# Allegro board RV1126B_mainboard.brd (continued)
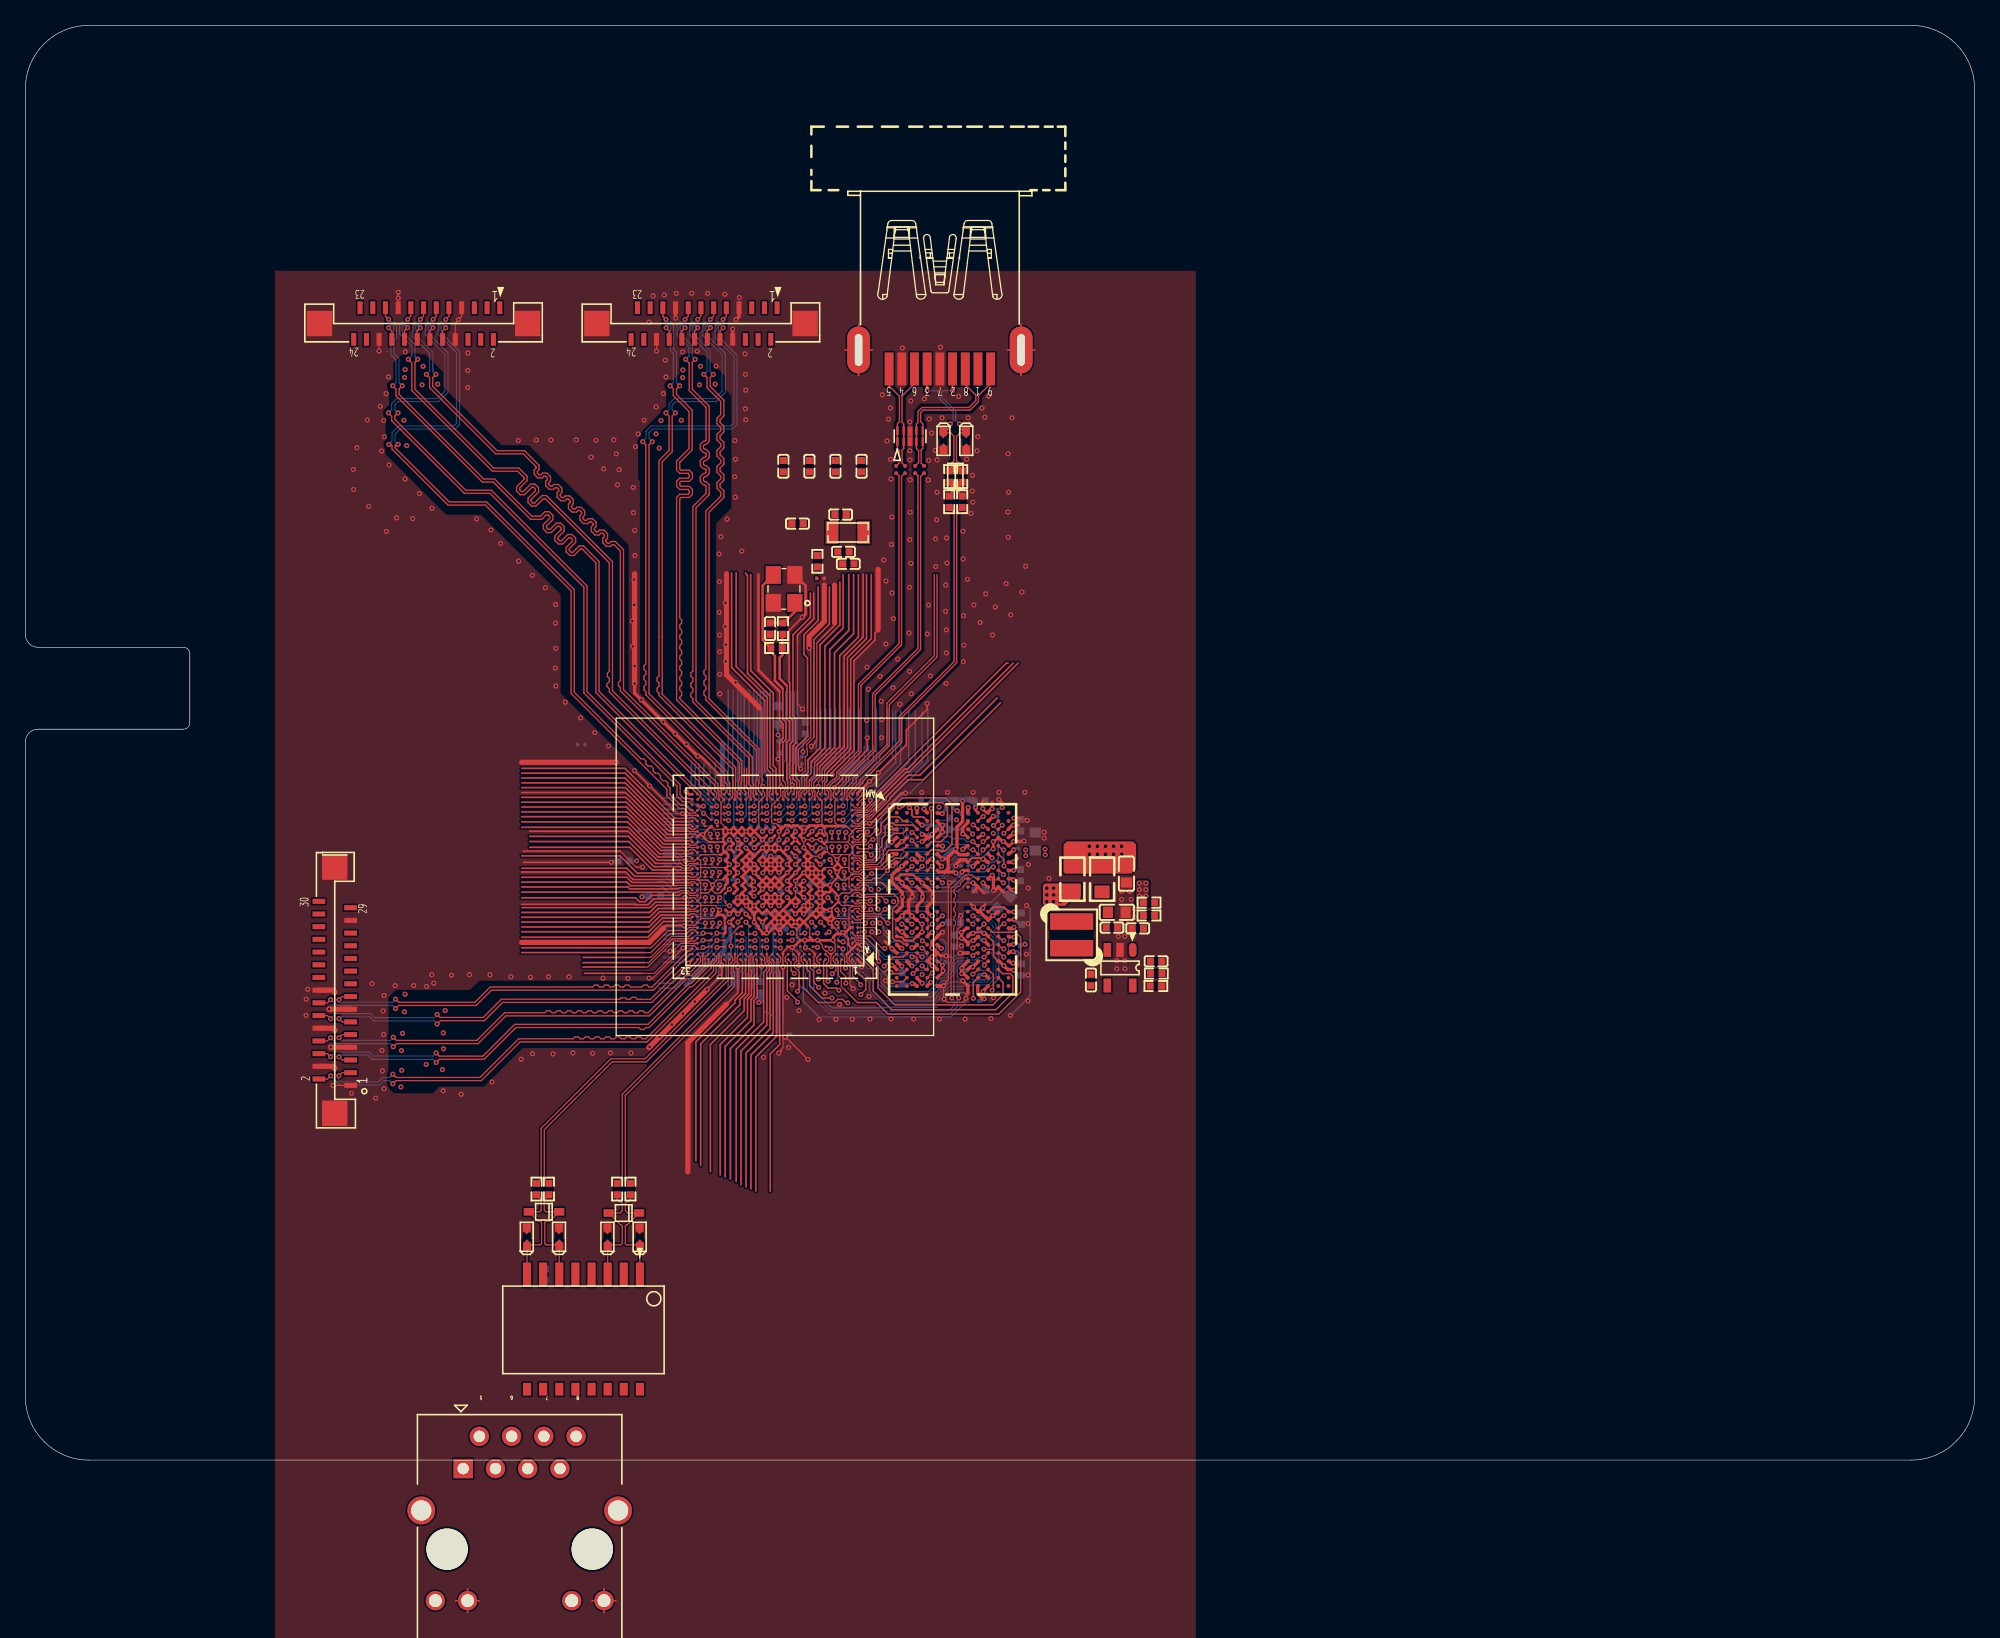
[diagram p0: board, top side]
## Routing (per net, layer and track width the routed paths; a pad name or vN(x,y) marks a point on that pad's centre or on a via; arc(x,y) is an arc through that point) (continued)
LPDDR4_A4_B: length 25.4
  TOP w0.089: U1000.B5 63.61,39.63 63.61,39.34 63.82,39.13 63.82,38.57 63.6,38.35 63.59,38.35 63.57,38.32 v1(63.54,38.32)
  TOP w0.114: v1(77.07,42.26) 76.97,42.26 U3300.R11
  L6_S2 w0.089: v1(77.07,42.26) 76.67,42.65 76.67,43.29 74.83,45.13 68.89,45.13 68.45,45.58 65.7,45.58 64.81,44.69 64.48,44.69 64.28,44.49 64.28,44.1 63.87,43.7 63.19,43.7 62.27,42.78 62.27,42.16 62.98,41.44 62.98,38.82 63.46,38.35 63.52,38.35 63.53,38.34
  L6_S2 w0.091: v1(63.54,38.32) 63.53,38.34
LPDDR4_A5_A: length 29.2
  TOP w0.114: 76.94,45.49 U3300.J11 ; U1000.A11 61.55,39.23 61.55,38.67 61.75,38.46 61.75,37.39 62.73,36.41 v1(63.52,36.41)
  TOP w0.127: v1(77.02,45.49) 76.94,45.49
  L6_S2 w0.089: 71.34,35.42 71.27,35.48
  L6_S2 w0.091: v1(63.52,36.41) 63.57,36.46 65.35,36.46 66.32,35.48 71.27,35.48 ; v1(77.02,45.49) 76.97,45.43 76.97,44.1 77.44,43.64 77.44,36.15 76.7,35.42 71.34,35.42
LPDDR4_A5_B: length 23.1
  TOP w0.089: v1(62.38,40.4) 62.32,40.46 U1000.1A6
  TOP w0.114: U3300.P11 76.94,42.88 77.06,42.88 77.07,42.9 v1(77.07,42.91)
  L6_S2 w0.089: v1(77.07,42.91) 77.07,43.4 76.6,43.88 76.6,45.15 75.9,45.85 65.51,45.85 64.61,44.94 63.97,44.94 63.57,44.54 63.57,44.21 63.34,43.98 62.45,43.98 62.25,43.77 62.25,43.34 61.56,42.66 61.56,42.15 61.94,41.77 61.94,40.84 v1(62.38,40.4)
LPDDR4_CKE0_A: length 23.2
  TOP w0.089: 62.07,38.53 61.82,38.78 61.82,39.38 U1000.A10
  TOP w0.114: 62.07,38.53 62.07,37.65 v1(62.48,37.25)
  TOP w0.127: U3300.J4 71.09,45.81 v1(71.42,45.48)
  L4_S1 w0.091: v1(71.42,45.48) 73.19,43.71 73.19,38.13 72.81,37.75 72.13,37.75 71.96,37.59 71.96,37.31 71.34,36.69 67.02,36.69 66.62,37.09 65.65,37.09 65.35,36.79 64.34,36.79 64.16,36.62 63.82,36.62 63.19,37.25 v1(62.48,37.25)
LPDDR4_CKE0_B: length 13.2
  TOP w0.089: U1000.1C8 61.31,41.46 v1(61.38,41.53)
  TOP w0.127: U3300.P4 70.69,42.88 v1(70.62,42.88)
  L4_S1 w0.091: v1(70.62,42.88) 70.19,43.32 68.83,43.32 68.29,42.78 66.11,42.78 64.53,41.21 64.23,41.21 64.01,40.99 64.01,40.79 63.84,40.62 62.95,40.62 62.83,40.5 62.83,40.12 62.7,39.99 62.07,39.99 61.82,40.24 61.82,41.09 v1(61.38,41.53)
LPDDR4_CKE1_A: length 27.3
  TOP w0.089: 60.93,38.48 60.56,38.85 60.56,39.15 60.73,39.33 60.73,39.63 U1000.B13
  TOP w0.114: 60.93,38.48 60.93,37.07 v1(60.8,36.94)
  TOP w0.127: U3300.J5 71.89,45.81 v1(72.22,45.48)
  L4_S1 w0.091: v1(60.8,36.94) 61.56,36.94 62.45,36.05 63.72,36.05 63.93,36.26 64.26,36.26 64.54,36.54 65.26,36.54 65.6,36.21 71.72,36.21 72.48,36.97 73.65,36.97 74.26,37.58 74.26,41.82 74.02,42.06 74.02,43.68 v1(72.22,45.48)
LPDDR4_CKE1_B: length 12.2
  TOP w0.089: U1000.1C6 62.31,41.46 v1(62.38,41.53)
  TOP w0.127: U3300.P5 72.14,42.88 v1(72.22,42.88)
  L4_S1 w0.091: v1(62.38,41.53) 62.65,41.26 63.42,41.26 64.1,41.95 64.89,41.95 65.98,43.04 68.04,43.04 68.72,43.72 70.32,43.72 70.78,43.27 71.83,43.27 v1(72.22,42.88)
LPDDR4_CLKN_A: length 29.8
  TOP w0.089: U1000.1C10 60.31,41.46 v1(60.38,41.53) ; v1(72.95,36.41) 72.9,36.46 72.9,45.01 73.48,45.6 73.77,45.89 73.92,46.03 73.95,46.03 74.01,46.09 74.59,46.09 74.87,45.81 U3300.J9
  BOTTOM w0.089: v1(60.38,41.53) 60.52,41.39 60.73,41.39 61,41.12 61,40.23 61.79,39.45 61.79,37.01 63.41,35.39 72.71,35.39 73.15,35.83 73.15,36.21 v1(72.95,36.41)
LPDDR4_CLKN_B: length 23.3
  TOP w0.097: U1000.1A2 64.08,40.4 64.26,40.4 v1(64.38,40.27) ; v1(74.62,42.88) 74.69,42.88 U3300.P9
  BOTTOM w0.089: v1(74.62,42.88) 74.62,42.88 75.75,42.88 76.44,42.19 76.44,41.89 76.24,41.69 76.24,41.47 76.44,41.27 76.44,40.66 76.14,40.35 76.14,40.2 76.44,39.89 76.44,38.07 75.81,37.44 74.44,37.44 74.1,37.1 72.83,37.1 72.45,36.72 72.2,36.72 71.98,36.5 71.98,36.31 71.63,35.96 67.5,35.96 66.46,36.99 66.46,37.62 65.89,38.19 65.66,38.19 65.24,38.61 65.24,39.1 64.38,39.97 v1(64.38,40.27)
LPDDR4_CLKP_A: length 29.8
  TOP w0.089: U3300.J8 74.01,45.81 73.97,45.77 73.97,45.77 73.64,45.44 73.64,45.34 73.5,45.2 73.4,45.2 73.12,44.92 73.12,44.7 73.25,44.57 73.25,44.35 73.12,44.22 73.12,43.99 73.25,43.86 73.25,43.63 73.12,43.51 73.12,43.28 73.25,43.15 73.25,42.92 73.12,42.8 73.12,42.57 73.25,42.44 73.25,42.21 73.12,42.09 73.12,36.73 73.44,36.41 v1(73.51,36.41)
  TOP w0.097: v1(60.38,40.96) 60.38,40.96 U1000.1B10
  BOTTOM w0.089: v1(60.38,40.96) 60.55,41.13 60.67,41.13 60.78,41.02 60.78,40.14 60.93,39.98 60.93,39.81 61.07,39.67 61.25,39.67 61.56,39.35 61.56,39.14 61.43,39.01 61.43,38.78 61.56,38.66 61.56,38.43 61.43,38.3 61.43,38.07 61.56,37.95 61.56,36.92 63.31,35.16 72.8,35.16 73.37,35.74 73.37,36.27 v1(73.51,36.41)
LPDDR4_CLKP_B: length 23.1
  TOP w0.097: U1000.1B2 64.14,40.84 v1(64.38,40.84) ; U3300.P8 74.54,42.23 v1(74.62,42.23)
  BOTTOM w0.089: v1(74.62,42.23) 74.62,42.24 74.62,42.38 74.9,42.66 75.66,42.66 76.22,42.1 76.22,41.99 76.01,41.78 76.01,41.38 76.22,41.17 76.22,40.75 75.91,40.45 75.91,40.11 76.22,39.8 76.22,38.16 75.72,37.66 74.35,37.66 74.01,37.32 72.74,37.32 72.36,36.94 72.1,36.94 71.76,36.6 71.76,36.41 71.53,36.18 67.59,36.18 66.69,37.09 66.69,37.71 65.98,38.41 65.75,38.41 65.47,38.7 65.47,39.19 64.73,39.93 64.73,40.62 64.51,40.84 v1(64.38,40.84)
LPDDR4_CSN0_A: length 30.5
  TOP w0.089: U1000.B11 61.09,39.63 61.09,39.32 61.27,39.14 61.27,38.78
  TOP w0.114: v1(64.76,36.03) 64.64,36.03 64.36,36.31 63.97,36.31 63.72,36.05 62.45,36.05 61.27,37.23 61.27,38.78 ; v1(71.42,46.78) 71.34,46.78 U3300.H4
  L4_S1 w0.091: v1(64.76,36.03) 64.95,35.84 74.66,35.84 74.99,36.18 74.99,37.55 75.15,37.7 75.15,43.17 75.02,43.29 75.02,43.76 72.9,45.88 72.56,45.88 71.66,46.78 v1(71.42,46.78)
LPDDR4_CSN0_B: length 14.3
  TOP w0.089: U1000.B7 63.25,39.63 63.25,39.27 63.11,39.13 63.11,38.6
  TOP w0.114: 63.11,38.6 63.11,37.86 63.21,37.75 v1(63.21,37.73)
  TOP w0.127: U3300.R4 71.34,42.23 v1(71.42,42.23)
  L4_S1 w0.089: v1(71.42,42.23) 71.06,41.88 71.06,41.49 70.85,41.27 70.47,41.27 70.07,40.88 69.69,40.88 69.39,40.57 69.39,40.19 68.57,39.38 68.57,38.31
  L4_S1 w0.091: 68.57,38.31 68.32,38.06 67.94,38.06 67.66,38.34 65.5,38.34 65.3,38.14 63.87,38.14 63.49,37.75 63.24,37.75 v1(63.21,37.73)
LPDDR4_CSN1_A: length 23.5
  TOP w0.102: U1000.A7 62.86,39.3
  TOP w0.114: v1(64.08,37.02) 64.05,37.04 64,37.04 63.85,37.2 63.21,37.2 62.86,37.55 62.86,39.3 ; U3300.H3 70.29,46.46 v1(70.62,46.78)
  L4_S1 w0.091: v1(70.62,46.78) 70.62,46.17 71.01,45.78 71.01,45.34 72.85,43.49 72.85,38.45 72.59,38.19 71.82,38.19 71.67,38.03 71.67,37.5 71.24,37.07 67.28,37.07 66.51,37.83 65.63,37.83 65.33,37.54 65.08,37.54 64.74,37.2 64.31,37.2 64.15,37.04 64.1,37.04 v1(64.08,37.02)
LPDDR4_CSN1_B: length 13
  TOP w0.089: U3300.R3 70.14,41.91 v1(69.82,41.58) ; 60.3,38.59 60.3,39.22 U1000.A14
  TOP w0.127: v1(60.55,38.34) 60.3,38.59
  L4_S1 w0.091: v1(69.82,41.58) 69.51,41.58 68.85,40.93 65.68,40.93 65.43,40.68 65.43,40.17 65.12,39.86 65.12,39.48 64.99,39.35 61.94,39.35 61.05,38.47 60.67,38.47 v1(60.55,38.34)
LPDDR4_RST: length 20.1
  TOP w0.089: U1000.2A1 62.62,42.36 v1(62.62,42.38)
  TOP w0.114: U3300.T11 76.95,40.93
  TOP w0.127: 76.95,40.93 v1(77.05,40.93)
  L6_S2 w0.089: v1(62.62,42.38) 62.6,42.41 62.6,42.55 63.03,42.99 64.61,42.99 64.86,43.24 64.86,44.05 64.99,44.18 64.99,44.43 65.88,45.32 68.22,45.32 68.8,44.74 74.72,44.74 75.86,43.6 75.86,42.74 77.05,41.55 v1(77.05,40.93)
MIC_LED_EN: length 10.4
  TOP w0.089: U1000.1AA6 62.32,50.46 v1(62.38,50.4)
  BOTTOM w0.089: v1(62.38,50.4) 62.98,51 62.98,51.89 63.53,52.44 63.64,52.44 64.06,52.85 64.06,53.43 64.15,53.52 64.15,53.58
  BOTTOM w0.114: 64.15,53.58 64.15,54.01
  BOTTOM w0.127: 65.27,59.17 65.27,55.13 64.15,54.01
MIPI_CSI_RX0_CLK0N: length 45.5
  TOP w0.089: 56.17,53.58 56.17,52.8 56.05,52.68 56.05,52.29 U1000.AL23
  TOP w0.097: v1(50.45,89.23) 50.7,88.97 J4702.18 ; v1(50.77,84.65) 51.02,84.4 51.02,83.87 52.26,82.63 52.26,79.7 51.28,78.72 51.28,78 51.52,77.75 52.18,77.75 52.28,77.66 52.28,77.46 52.18,77.37 51.52,77.37 51.28,77.13 51.28,76.73 51.52,76.48 52.18,76.48 52.28,76.39 52.28,76.19 52.18,76.1 51.52,76.1 51.28,75.86 51.28,59.91 56.23,54.96 56.23,53.64 56.17,53.58
  BOTTOM w0.097: v1(50.77,84.65) 51.03,84.9 51.03,87.19 50.79,87.42 50.79,89.33 50.69,89.43 50.54,89.43 50.45,89.34 v1(50.45,89.23)
MIPI_CSI_RX0_CLK0P: length 46.7
  TOP w0.089: U1000.AM23 56.29,52.61 56.35,52.67
  TOP w0.097: v1(51.52,84.65) 51.27,84.4 51.27,83.97 52.51,82.74 52.51,79.59 51.53,78.61 51.53,78.1 51.63,78 52.28,78 52.53,77.76 52.53,77.36 52.28,77.12 51.63,77.12 51.53,77.02 51.53,76.83 51.63,76.73 52.28,76.73 52.53,76.49 52.53,76.09 52.28,75.85 51.63,75.85 51.53,75.75 51.53,66.36 51.68,66.21 51.68,65.95 51.53,65.8 51.53,65.55 51.68,65.39 51.68,65.14 51.53,64.99 51.53,64.73 51.68,64.58 51.68,64.33 51.53,64.17 51.53,63.92 51.68,63.77 51.68,63.51 51.53,63.36 51.53,63.11 51.68,62.95 51.68,62.7 51.53,62.55 51.53,62.29 51.68,62.14 51.68,61.89 51.53,61.74 51.53,61.48 51.68,61.33 51.68,61.08 51.53,60.92 51.53,60.67 51.68,60.52 51.68,60.26 51.53,60.11 51.53,60.01 56.42,55.12 56.42,53.52 56.35,53.45 56.35,52.67 ; 50.2,90.13 v1(50.45,89.88) 50.2,90.13 ; 50.2,90.13 J4702.19
  BOTTOM w0.089: 50.78,89.68 50.79,89.68
  BOTTOM w0.097: v1(50.45,89.88) 50.45,89.78 50.54,89.68 50.79,89.68 51.04,89.43 51.04,87.53 51.27,87.29 51.27,84.9 v1(51.52,84.65)
MIPI_CSI_RX0_CLK1N: length 2.1
  TOP w0.097: U1000.AM22 56.71,52.65 56.61,52.75 56.61,54.53
MIPI_CSI_RX0_CLK1P: length 2.6
  TOP w0.089: U1000.AL22 56.95,52.29 56.95,52.82 56.8,52.97 56.8,53.14
  TOP w0.097: 56.8,54.53 56.8,53.14
MIPI_CSI_RX0_D0N: length 49.3
  TOP w0.089: 54.91,54.25 54.93,54.25 55.07,54.11 55.07,53.43 55.25,53.25 55.25,52.68 U1000.AM26
  TOP w0.097: J4702.9 55.2,90.8 55.2,90.13 v1(54.95,89.88) ; v1(48.62,80.25) 48.86,80 48.86,62.73 48.71,62.58 48.71,62.33 48.86,62.17 48.86,61.92 48.71,61.77 48.71,61.51 48.86,61.36 48.86,61.11 48.71,60.95 48.71,60.7 48.86,60.55 48.86,60.29 54.91,54.25
  BOTTOM w0.097: v1(54.95,89.88) 54.74,89.68 54.57,89.68 54.32,89.44 54.32,88.43 55.79,86.96 55.79,81.71 55.57,81.5 49.3,81.5 48.87,81.06 48.87,80.5 v1(48.62,80.25)
MIPI_CSI_RX0_D0P: length 48.4
  TOP w0.089: 55.06,54.45 55.06,54.43 55.29,54.19 55.29,53.54 55.46,53.37 55.46,52.48 U1000.AM25
  TOP w0.097: v1(49.37,80.25) 49.11,79.99 49.11,60.4 55.06,54.45 ; J4702.10 54.7,88.97 v1(54.95,89.22)
  BOTTOM w0.097: v1(49.37,80.25) 49.12,80.5 49.12,80.96 49.41,81.25 55.68,81.25 56.04,81.61 56.04,87.06 54.57,88.53 54.57,89.33 54.67,89.43 54.74,89.43 v1(54.95,89.22)
MIPI_CSI_RX0_D1N: length 46.7
  TOP w0.089: 55.69,53.58 55.69,53.56 55.7,53.56 55.71,53.55 55.71,53.14 55.69,53.13 55.69,52.88 55.69,52.29 U1000.AL25 ; 49.9,64.87 49.9,64.9
  TOP w0.097: v1(53.95,89.88) 54.2,90.13 54.2,90.8 J4702.11 ; 49.9,64.9 49.9,78.77 50.69,79.56 50.69,82.26 v1(50.44,82.51) ; 49.9,64.87 49.9,61.79 49.74,61.64 49.74,61.39 49.9,61.23 49.9,60.98 49.74,60.83 49.74,60.57 49.9,60.42 49.9,60.25 55.69,54.46 55.69,53.58
  BOTTOM w0.097: v1(50.44,82.51) 50.69,82.76 50.69,83.24 51.09,83.64 54.27,83.64 54.87,84.24 54.87,87.09 53.34,88.62 53.34,89.44 53.59,89.68 53.74,89.68 v1(53.95,89.88)
MIPI_CSI_RX0_D1P: length 46.3
  TOP w0.089: 55.94,53.58 55.94,53.46 55.92,53.44 55.92,53.05 55.91,53.04 55.91,52.79 55.87,52.75 55.87,52.16 55.87,52.16 U1000.AL24 ; 50.15,64.87 50.15,64.9
  TOP w0.097: 53.7,88.97 J4702.12 ; 53.7,88.97 v1(53.95,89.22) 53.7,88.97 ; 50.15,64.87 50.15,60.35 55.94,54.56 55.94,53.58 ; 50.15,64.9 50.15,78.66 50.94,79.45 50.94,82.26 v1(51.19,82.51)
  BOTTOM w0.097: v1(51.19,82.51) 50.94,82.76 50.94,83.14 51.19,83.39 54.38,83.39 55.12,84.14 55.12,87.2 53.59,88.72 53.59,89.33 53.69,89.43 53.74,89.43 v1(53.95,89.22)
MIPI_CSI_RX0_D2N: length 43.8
  TOP w0.089: 56.68,56.8 56.77,56.71 56.79,56.71 57.55,55.95 57.55,53.57 57.53,53.55 57.53,52.6 57.55,52.57 U1000.AM20
  TOP w0.097: v1(53.42,85.55) 53.67,85.3 53.67,84.5 54.76,83.42 54.76,82.39 54.45,82.09 54.45,81.65 54.76,81.35 54.76,81.12 54.45,80.82 54.45,80.38 54.76,80.08 54.76,79.85 54.45,79.55 54.45,79.11 54.76,78.81 54.76,78.58 54.45,78.28 54.45,77.84 54.76,77.54 54.76,77.31 54.45,77.01 54.45,76.57 54.76,76.27 54.76,75.96 53.58,74.78 53.58,62.34 53.43,62.19 53.43,61.94 53.58,61.78 53.58,61.53 53.43,61.38 53.43,61.12 53.58,60.97 53.58,60.72 53.43,60.56 53.43,60.31 53.58,60.16 53.58,59.9 56.68,56.8 ; J4702.13 53.2,90.13 v1(52.95,89.88)
  BOTTOM w0.097: v1(53.42,85.55) 53.67,85.8 53.67,87.31 52.32,88.67 52.32,89.44 52.56,89.68 52.74,89.68 v1(52.95,89.88)
MIPI_CSI_RX0_D2P: length 43.5
  TOP w0.089: U1000.AM19 57.73,52.71 57.73,53.35 57.77,53.4 57.77,53.55 57.77,53.55 57.77,56.04 56.94,56.87 56.94,56.88
  TOP w0.097: v1(54.17,85.55) 53.92,85.3 53.92,84.61 55.01,83.52 55.01,82.29 54.7,81.99 54.7,81.76 55.01,81.45 55.01,81.02 54.7,80.72 54.7,80.49 55.01,80.18 55.01,79.75 54.7,79.45 54.7,79.22 55.01,78.91 55.01,78.48 54.7,78.18 54.7,77.95 55.01,77.64 55.01,77.21 54.7,76.91 54.7,76.68 55.01,76.37 55.01,75.85 53.83,74.68 53.83,60 56.94,56.88 ; 52.7,88.97 v1(52.95,89.22) 52.7,88.97 ; 52.7,88.97 J4702.14
  BOTTOM w0.097: v1(52.95,89.22) 52.74,89.43 52.66,89.43 52.57,89.33 52.57,88.77 53.92,87.41 53.92,85.8 v1(54.17,85.55)
MIPI_CSI_RX0_D3N: length 44.6
  TOP w0.089: U1000.AL21 57.13,53.12 56.99,53.26
  TOP w0.097: v1(51.95,89.88) 52.2,90.13 J4702.15 ; 56.99,53.26 56.99,55.31 52.56,59.74 52.56,59.99 52.41,60.15 52.41,60.4 52.56,60.55 52.56,60.81 52.41,60.96 52.41,61.21 52.56,61.37 52.56,61.62 52.41,61.77 52.41,62.03 52.56,62.18 52.56,75.13 53.6,76.18 53.6,76.75 53.5,76.85 53.39,76.85 53.15,77.09 53.15,77.49 53.39,77.73 53.5,77.73 53.6,77.83 53.6,78.02 53.5,78.12 53.39,78.12 53.15,78.36 53.15,78.76 53.39,79 53.5,79 53.6,79.1 53.6,79.29 53.5,79.39 53.39,79.39 53.15,79.63 53.15,80.03 53.39,80.27 53.5,80.27 53.6,80.37 53.6,82.94 52.27,84.27 52.27,86.46 v1(51.99,86.74)
  BOTTOM w0.097: v1(51.99,86.74) 52.27,87.01 52.27,87.66 51.33,88.6 51.33,89.44 51.57,89.68 51.74,89.68 v1(51.95,89.88)
MIPI_CSI_RX0_D3P: length 44.2
  TOP w0.089: U1000.AL20 57.37,52.23 57.31,52.29 57.31,53.32 57.24,53.39
  TOP w0.097: 51.7,88.97 v1(51.95,89.22) 51.7,88.97 ; 51.7,88.97 J4702.16 ; v1(52.74,86.74) 52.52,86.52 52.52,84.37 53.85,83.05 53.85,80.27 53.61,80.03 53.49,80.03 53.4,79.93 53.4,79.74 53.49,79.64 53.61,79.64 53.85,79.4 53.85,79 53.61,78.76 53.49,78.76 53.4,78.66 53.4,78.47 53.49,78.37 53.61,78.37 53.85,78.13 53.85,77.73 53.61,77.49 53.49,77.49 53.4,77.39 53.4,77.2 53.49,77.1 53.61,77.1 53.85,76.86 53.85,76.07 52.81,75.03 52.81,59.84 57.24,55.41 57.24,53.39
  BOTTOM w0.097: v1(52.74,86.74) 52.52,86.96 52.52,87.76 51.58,88.7 51.58,89.33 51.68,89.43 51.74,89.43 v1(51.95,89.22)
MIPI_CSI_RX1_CLK0N: length 55.6
  TOP w0.097: v1(28.6,89.23) 28.86,88.97 J4700.18 ; v1(28.93,84.65) 29.18,84.4 29.18,83.87 35.99,77.06 36.85,77.06 39.78,74.13 40.66,74.13 41.01,74.48 41.15,74.48 41.29,74.34 41.29,74.21 40.79,73.71 40.79,73.37 41.07,73.08 41.41,73.08 41.91,73.58 42.05,73.58 42.19,73.44 42.19,73.31 41.69,72.81 41.69,72.47 41.97,72.19 42.31,72.19 42.81,72.68 42.95,72.68 43.08,72.55 43.08,72.41 42.58,71.91 42.58,71.57 42.86,71.28 43.21,71.28 43.71,71.78 43.85,71.78 44.93,70.7 44.93,60.47 U1000.AM31
  BOTTOM w0.097: v1(28.6,89.23) 28.81,89.43 28.88,89.43 28.98,89.33 28.98,88.56 28.79,88.38 28.79,87.05 29.18,86.66 29.18,84.9 v1(28.93,84.65)
MIPI_CSI_RX1_CLK0P: length 56.8
  TOP w0.089: 53.11,52.64 53.17,52.58 53.17,52.29
  TOP w0.097: v1(29.68,84.65) 29.43,84.4 29.43,83.97 36.09,77.31 36.95,77.31 39.88,74.38 40.56,74.38 40.91,74.73 41.25,74.73 41.54,74.45 41.54,74.1 41.04,73.61 41.04,73.47 41.18,73.33 41.31,73.33 41.81,73.83 42.15,73.83 42.43,73.55 42.43,73.21 41.94,72.71 41.94,72.57 42.07,72.43 42.21,72.43 42.71,72.93 43.05,72.93 43.33,72.65 43.33,72.31 42.83,71.8 42.83,71.67 42.97,71.53 43.1,71.53 43.61,72.03 43.95,72.03 45.17,70.81 45.17,60.58 53.11,52.64 ; 28.36,90.13 v1(28.6,89.88) 28.36,90.13 ; 28.36,90.13 J4700.19 ; U1000.AL31 53.17,52.29
  BOTTOM w0.097: v1(29.68,84.65) 29.43,84.9 29.43,86.77 29.04,87.16 29.04,88.27 29.23,88.46 29.23,89.44 28.98,89.68 28.81,89.68 v1(28.6,89.88)
MIPI_CSI_RX1_D0N: length 58.2
  TOP w0.089: 51.86,51.35 52.24,50.97 52.69,50.97 52.85,51.12
  TOP w0.097: U1000.AJ31 52.85,51.12 ; v1(28.63,80.03) 28.77,80.03 28.87,79.93 28.87,79.66 33.28,75.25 36.21,75.25 42.98,68.49 42.98,60.4 50.52,52.86 50.52,52.33 51.5,51.35 51.86,51.35 ; J4700.9 33.36,90.8 33.36,90.13 v1(33.11,89.88)
  BOTTOM w0.097: v1(28.63,80.03) 28.87,80.27 28.87,80.95 29.41,81.5 33.73,81.5 33.95,81.71 33.95,87.25 32.51,88.69 32.51,89.44 32.75,89.68 32.9,89.68 v1(33.11,89.88)
MIPI_CSI_RX1_D0P: length 57.4
  TOP w0.097: J4700.10 32.86,88.97 v1(33.11,89.22) ; U1000.AJ32 52.35,51.21 51.96,51.6 51.6,51.6 50.77,52.43 50.77,52.96 50.59,53.14 50.59,53.36 50.41,53.54 50.19,53.54 50.01,53.72 50.01,53.93 49.83,54.11 49.62,54.11 49.44,54.29 49.44,54.51 49.26,54.69 49.04,54.69 48.86,54.87 48.86,55.08 48.68,55.26 48.47,55.26 43.22,60.51 43.22,68.59 36.31,75.5 33.38,75.5 29.12,79.76 29.12,79.93 29.21,80.03 v1(29.36,80.03)
  BOTTOM w0.097: v1(33.11,89.22) 32.9,89.43 32.86,89.43 32.76,89.33 32.76,88.79 34.2,87.35 34.2,81.61 33.83,81.25 29.52,81.25 29.12,80.85 29.12,80.27 v1(29.36,80.03)
MIPI_CSI_RX1_D1N: length 55.3
  TOP w0.097: J4700.11 32.35,90.8 32.35,90.13 v1(32.1,89.88) ; v1(28.59,82.51) 28.84,82.26 28.84,81.9 34.57,76.18 36.58,76.18 43.98,68.78 43.98,60.45 51.31,53.12 51.31,52.33 51.77,51.87 52.27,51.87 U1000.AK32 52.51,51.63
  BOTTOM w0.097: v1(28.59,82.51) 28.84,82.76 28.84,83.24 29.25,83.64 32.43,83.64 33.03,84.24 33.03,87.14 31.51,88.66 31.51,89.44 31.75,89.68 31.9,89.68 v1(32.1,89.88)
MIPI_CSI_RX1_D1P: length 54.8
  TOP w0.097: 31.86,88.97 v1(32.1,89.22) 31.86,88.97 ; 31.86,88.97 J4700.12 ; v1(29.34,82.51) 29.09,82.26 29.09,82 34.67,76.42 36.69,76.42 44.23,68.88 44.23,60.55 51.56,53.22 51.56,52.44 51.87,52.12 52.44,52.12 U1000.AL32
  BOTTOM w0.097: v1(29.34,82.51) 29.09,82.76 29.09,83.14 29.35,83.39 32.53,83.39 33.28,84.14 33.28,87.24 31.76,88.76 31.76,89.33 31.85,89.43 31.9,89.43 v1(32.1,89.22)
MIPI_CSI_RX1_D2N: length 55.4
  TOP w0.089: U1000.AL28 54.43,52.29 54.43,52.59 54.29,52.74
  TOP w0.097: v1(31.58,85.55) 31.83,85.3 31.83,84.5 37.05,79.29 39.2,79.29 40.2,78.29 40.2,78.15 40.07,78.02 40.07,77.67 40.35,77.39 40.7,77.39 40.83,77.52 40.97,77.52 41.1,77.39 41.1,77.25 40.97,77.12 40.97,76.77 41.25,76.49 41.59,76.49 41.73,76.62 41.86,76.62 42,76.49 42,76.35 41.87,76.22 41.87,75.88 42.15,75.59 42.49,75.59 42.63,75.73 42.76,75.73 42.9,75.59 42.9,75.45 42.77,75.32 42.77,74.98 43.05,74.69 43.39,74.69 43.52,74.83 43.66,74.83 43.8,74.69 43.8,74.55 43.67,74.42 43.67,74.08 43.95,73.8 44.29,73.8 44.42,73.93 44.56,73.93 44.7,73.79 44.7,73.66 44.56,73.52 44.56,73.18 44.85,72.9 45.19,72.9 45.32,73.03 45.46,73.03 45.6,72.89 45.6,72.76 45.46,72.62 45.46,72.28 45.75,72 46.09,72 46.22,72.13 46.36,72.13 46.85,71.64 46.85,61.42 46.7,61.27 46.7,61.01 46.85,60.86 46.85,60.61 54.29,53.17 54.29,52.74 ; v1(31.1,89.88) 31.36,90.13 J4700.13
  BOTTOM w0.097: v1(31.58,85.55) 31.83,85.8 31.83,87.2 30.51,88.52 30.51,89.44 30.75,89.68 30.9,89.68 v1(31.1,89.88)
MIPI_CSI_RX1_D2P: length 55.1
  TOP w0.089: U1000.AL27 54.61,52.67 54.54,52.75 54.54,52.79
  TOP w0.097: 30.85,88.97 v1(31.1,89.22) 30.85,88.97 ; 30.85,88.97 J4700.14 ; 54.54,52.79 54.54,52.8 54.54,53.28 47.1,60.71 47.1,71.74 46.46,72.38 46.12,72.38 45.98,72.25 45.85,72.25 45.71,72.38 45.71,72.52 45.84,72.65 45.84,73 45.56,73.28 45.22,73.28 45.09,73.15 44.95,73.15 44.81,73.28 44.81,73.42 44.95,73.55 44.95,73.9 44.66,74.18 44.32,74.18 44.19,74.05 44.05,74.05 43.91,74.18 43.91,74.32 44.05,74.45 44.05,74.79 43.76,75.08 43.42,75.08 43.29,74.94 43.15,74.94 43.02,75.08 43.02,75.22 43.15,75.35 43.15,75.69 42.87,75.97 42.52,75.97 42.39,75.84 42.25,75.84 42.12,75.98 42.12,76.12 42.25,76.25 42.25,76.59 41.97,76.87 41.62,76.87 41.49,76.74 41.36,76.74 41.22,76.88 41.22,77.01 41.35,77.15 41.35,77.49 41.07,77.77 40.73,77.77 40.59,77.64 40.46,77.64 40.32,77.78 40.32,77.91 40.45,78.05 40.45,78.39 39.3,79.54 37.15,79.54 32.08,84.61 32.08,85.3 v1(32.33,85.55)
  BOTTOM w0.097: v1(31.1,89.22) 30.9,89.43 30.85,89.43 30.75,89.33 30.75,88.62 32.08,87.3 32.08,85.8 v1(32.33,85.55)
MIPI_CSI_RX1_D3N: length 54.6
  TOP w0.097: J4700.15 30.35,90.13 v1(30.1,89.88) ; v1(30.15,86.74) 30.43,86.46 30.43,84.27 36.78,77.92 38.76,77.92 39.27,77.41 39.27,77.28 38.68,76.69 38.68,76.35 38.96,76.06 39.3,76.06 39.89,76.65 40.03,76.65 40.17,76.52 40.17,76.38 39.58,75.79 39.58,75.45 39.86,75.17 40.2,75.17 40.79,75.75 40.93,75.75 45.98,70.7 45.98,62.15 45.83,62 45.83,61.74 45.98,61.59 45.98,61.34 45.78,61.14 45.78,60.98 45.98,60.78 45.98,60.53 53.06,53.45 53.06,53.23 53.24,53.05 53.46,53.05 53.78,52.73 53.78,52.47 U1000.AM29
  BOTTOM w0.097: v1(30.15,86.74) 30.43,87.01 30.43,87.77 29.48,88.72 29.48,89.44 29.72,89.68 29.9,89.68 v1(30.1,89.88)
MIPI_CSI_RX1_D3P: length 54.1
  TOP w0.089: 54,52.66 54,52.83 53.95,52.87
  TOP w0.097: U1000.AM28 54,52.66 ; 29.85,88.97 v1(30.1,89.22) 29.85,88.97 ; 29.85,88.97 J4700.16 ; v1(30.9,86.74) 30.68,86.52 30.68,84.37 36.88,78.17 38.86,78.17 39.52,77.52 39.52,77.17 38.93,76.59 38.93,76.45 39.07,76.31 39.2,76.31 39.79,76.9 40.13,76.9 40.41,76.62 40.41,76.28 39.83,75.69 39.83,75.55 39.96,75.42 40.1,75.42 40.69,76 41.03,76 46.23,70.8 46.23,60.63 53.95,52.91 53.95,52.87
  BOTTOM w0.097: v1(30.9,86.74) 30.68,86.96 30.68,87.88 29.73,88.83 29.73,89.33 29.82,89.43 29.9,89.43 v1(30.1,89.22)
MIPI_DSI_CLKN: length 34.5
  TOP w0.089: 52.16,37.94 52.53,37.94 53.53,38.94 53.53,39.63 U1000.B29
  TOP w0.097: v1(24.03,33.28) 23.78,33.03 J5400.8 ; v1(28.97,32.57) 29.22,32.82 35.65,32.82 37.84,35 49.14,35 52.07,37.94 52.16,37.94
  BOTTOM w0.097: v1(24.03,33.28) 24.49,32.82 28.72,32.82 v1(28.97,32.57)
MIPI_DSI_CLKP: length 34.5
  TOP w0.089: U1000.B30 53.35,39.69 53.35,39.69 53.35,39.11 52.43,38.18 52.16,38.18 52.16,38.18 52.17,38.19 52.16,38.19
  TOP w0.097: J5400.9 24.94,33.53 v1(24.69,33.28) ; 52.16,38.19 51.97,38.19 49.04,35.25 48.78,35.25 48.63,35.41 48.38,35.41 48.22,35.25 47.97,35.25 47.82,35.41 47.56,35.41 47.41,35.25 47.16,35.25 47,35.41 46.75,35.41 46.6,35.25 46.34,35.25 46.19,35.41 45.94,35.41 45.79,35.25 45.53,35.25 45.38,35.41 45.12,35.41 44.97,35.25 44.72,35.25 44.57,35.41 44.31,35.41 44.16,35.25 43.91,35.25 43.75,35.41 43.5,35.41 43.35,35.25 43.09,35.25 42.94,35.41 42.69,35.41 42.53,35.25 42.28,35.25 42.13,35.41 41.87,35.41 41.72,35.25 41.47,35.25 41.31,35.41 41.06,35.41 40.91,35.25 37.73,35.25 35.55,33.07 29.22,33.07 v1(28.97,33.32)
  BOTTOM w0.097: v1(28.97,33.32) 28.72,33.07 24.9,33.07 v1(24.69,33.28)
MIPI_DSI_D0N: length 37.1
  TOP w0.089: 54.39,38.38 54.39,39.04 54.61,39.26 U1000.B27
  TOP w0.097: v1(28.93,29.65) 29.18,29.9 35.9,29.9 38.95,32.95 48.95,32.95 54.39,38.38 ; J5400.2 23.78,30.03 v1(24.03,30.28)
  BOTTOM w0.097: v1(28.93,29.65) 28.68,29.9 28.24,29.9 27.88,29.54 24.77,29.54 v1(24.03,30.28)
MIPI_DSI_D0P: length 37.2
  TOP w0.089: U1000.B28 54.19,39.87 54.43,39.63 54.43,39.34 54.2,39.1 54.2,38.54 54.17,38.52 ; J5400.3 24.94,30.53 v1(24.69,30.28)
  TOP w0.097: 54.17,38.52 48.85,33.2 48.57,33.2 48.42,33.35 48.16,33.35 48.01,33.2 47.76,33.2 47.6,33.35 47.35,33.35 47.2,33.2 46.94,33.2 46.79,33.35 46.54,33.35 46.38,33.2 46.13,33.2 45.98,33.35 45.72,33.35 45.57,33.2 45.32,33.2 45.17,33.35 44.91,33.35 44.76,33.2 44.5,33.2 44.35,33.35 44.1,33.35 43.95,33.2 43.69,33.2 43.54,33.35 43.29,33.35 43.13,33.2 38.84,33.2 35.8,30.15 29.18,30.15 v1(28.93,30.4)
  BOTTOM w0.097: v1(28.93,30.4) 28.68,30.15 28.13,30.15 27.77,29.79 24.87,29.79 24.58,30.08 24.58,30.17 v1(24.69,30.28)
MIPI_DSI_D1N: length 34.6
  TOP w0.089: 53.15,37.93 54.01,38.78 54.01,39.26 U1000.A28
  TOP w0.097: v1(24.69,31.78) 24.94,31.53 25.61,31.53 J5400.5 ; 53.15,37.93 52.53,37.3 52.34,37.3 49.12,34.08 48.87,34.08 48.72,33.93 48.46,33.93 48.31,34.08 38.63,34.08 36.13,31.58 32.6,31.58 v1(32.35,31.33)
  BOTTOM w0.097: v1(32.35,31.33) 32.1,31.58 27.31,31.58 26.98,31.91 24.83,31.91 v1(24.69,31.78)
MIPI_DSI_D1P: length 35.1
  TOP w0.089: 52.98,38.11 52.99,38.11 53.81,38.93 53.81,39.41 U1000.A29
  TOP w0.097: 23.78,32.03 J5400.6 ; 23.78,32.03 v1(24.03,31.78) 23.78,32.03 ; v1(32.35,32.08) 32.6,31.83 36.02,31.83 38.53,34.33 49.02,34.33 52.24,37.55 52.42,37.55 52.98,38.11
  BOTTOM w0.097: v1(32.35,32.08) 32.1,31.83 27.41,31.83 27.08,32.16 24.42,32.16 v1(24.03,31.78)
MIPI_DSI_D2N: length 32.6
  TOP w0.089: U1000.B31 53.17,39.63 53.17,39.26 52.42,38.51 51.78,38.51 ; 48.46,36.06 48.44,36.06 48.44,36.06 48.36,36.06
  TOP w0.097: 48.36,36.06 37.58,36.06 36.15,34.63 32.69,34.63 v1(32.42,34.36) ; 51.78,38.51 49.33,36.06 48.46,36.06 ; J5400.11 24.94,34.53 v1(24.69,34.78)
  BOTTOM w0.097: v1(24.69,34.78) 24.69,34.84 24.79,34.93 27.1,34.93 27.43,34.61 32.17,34.61 v1(32.42,34.36)